# Altium PCB gateway.PcbDoc (part 2 of 4)
Units mm, origin at the board's own origin, x right, y up, seen from the top; angles counter-clockwise.
Board outline 85 x 87.5 mm, 4 copper layers (L1, L2/PWR, L3/GND, L4), stack 1.58 mm thick; 275 components, 211 nets, 1349 pads, 793 vias.
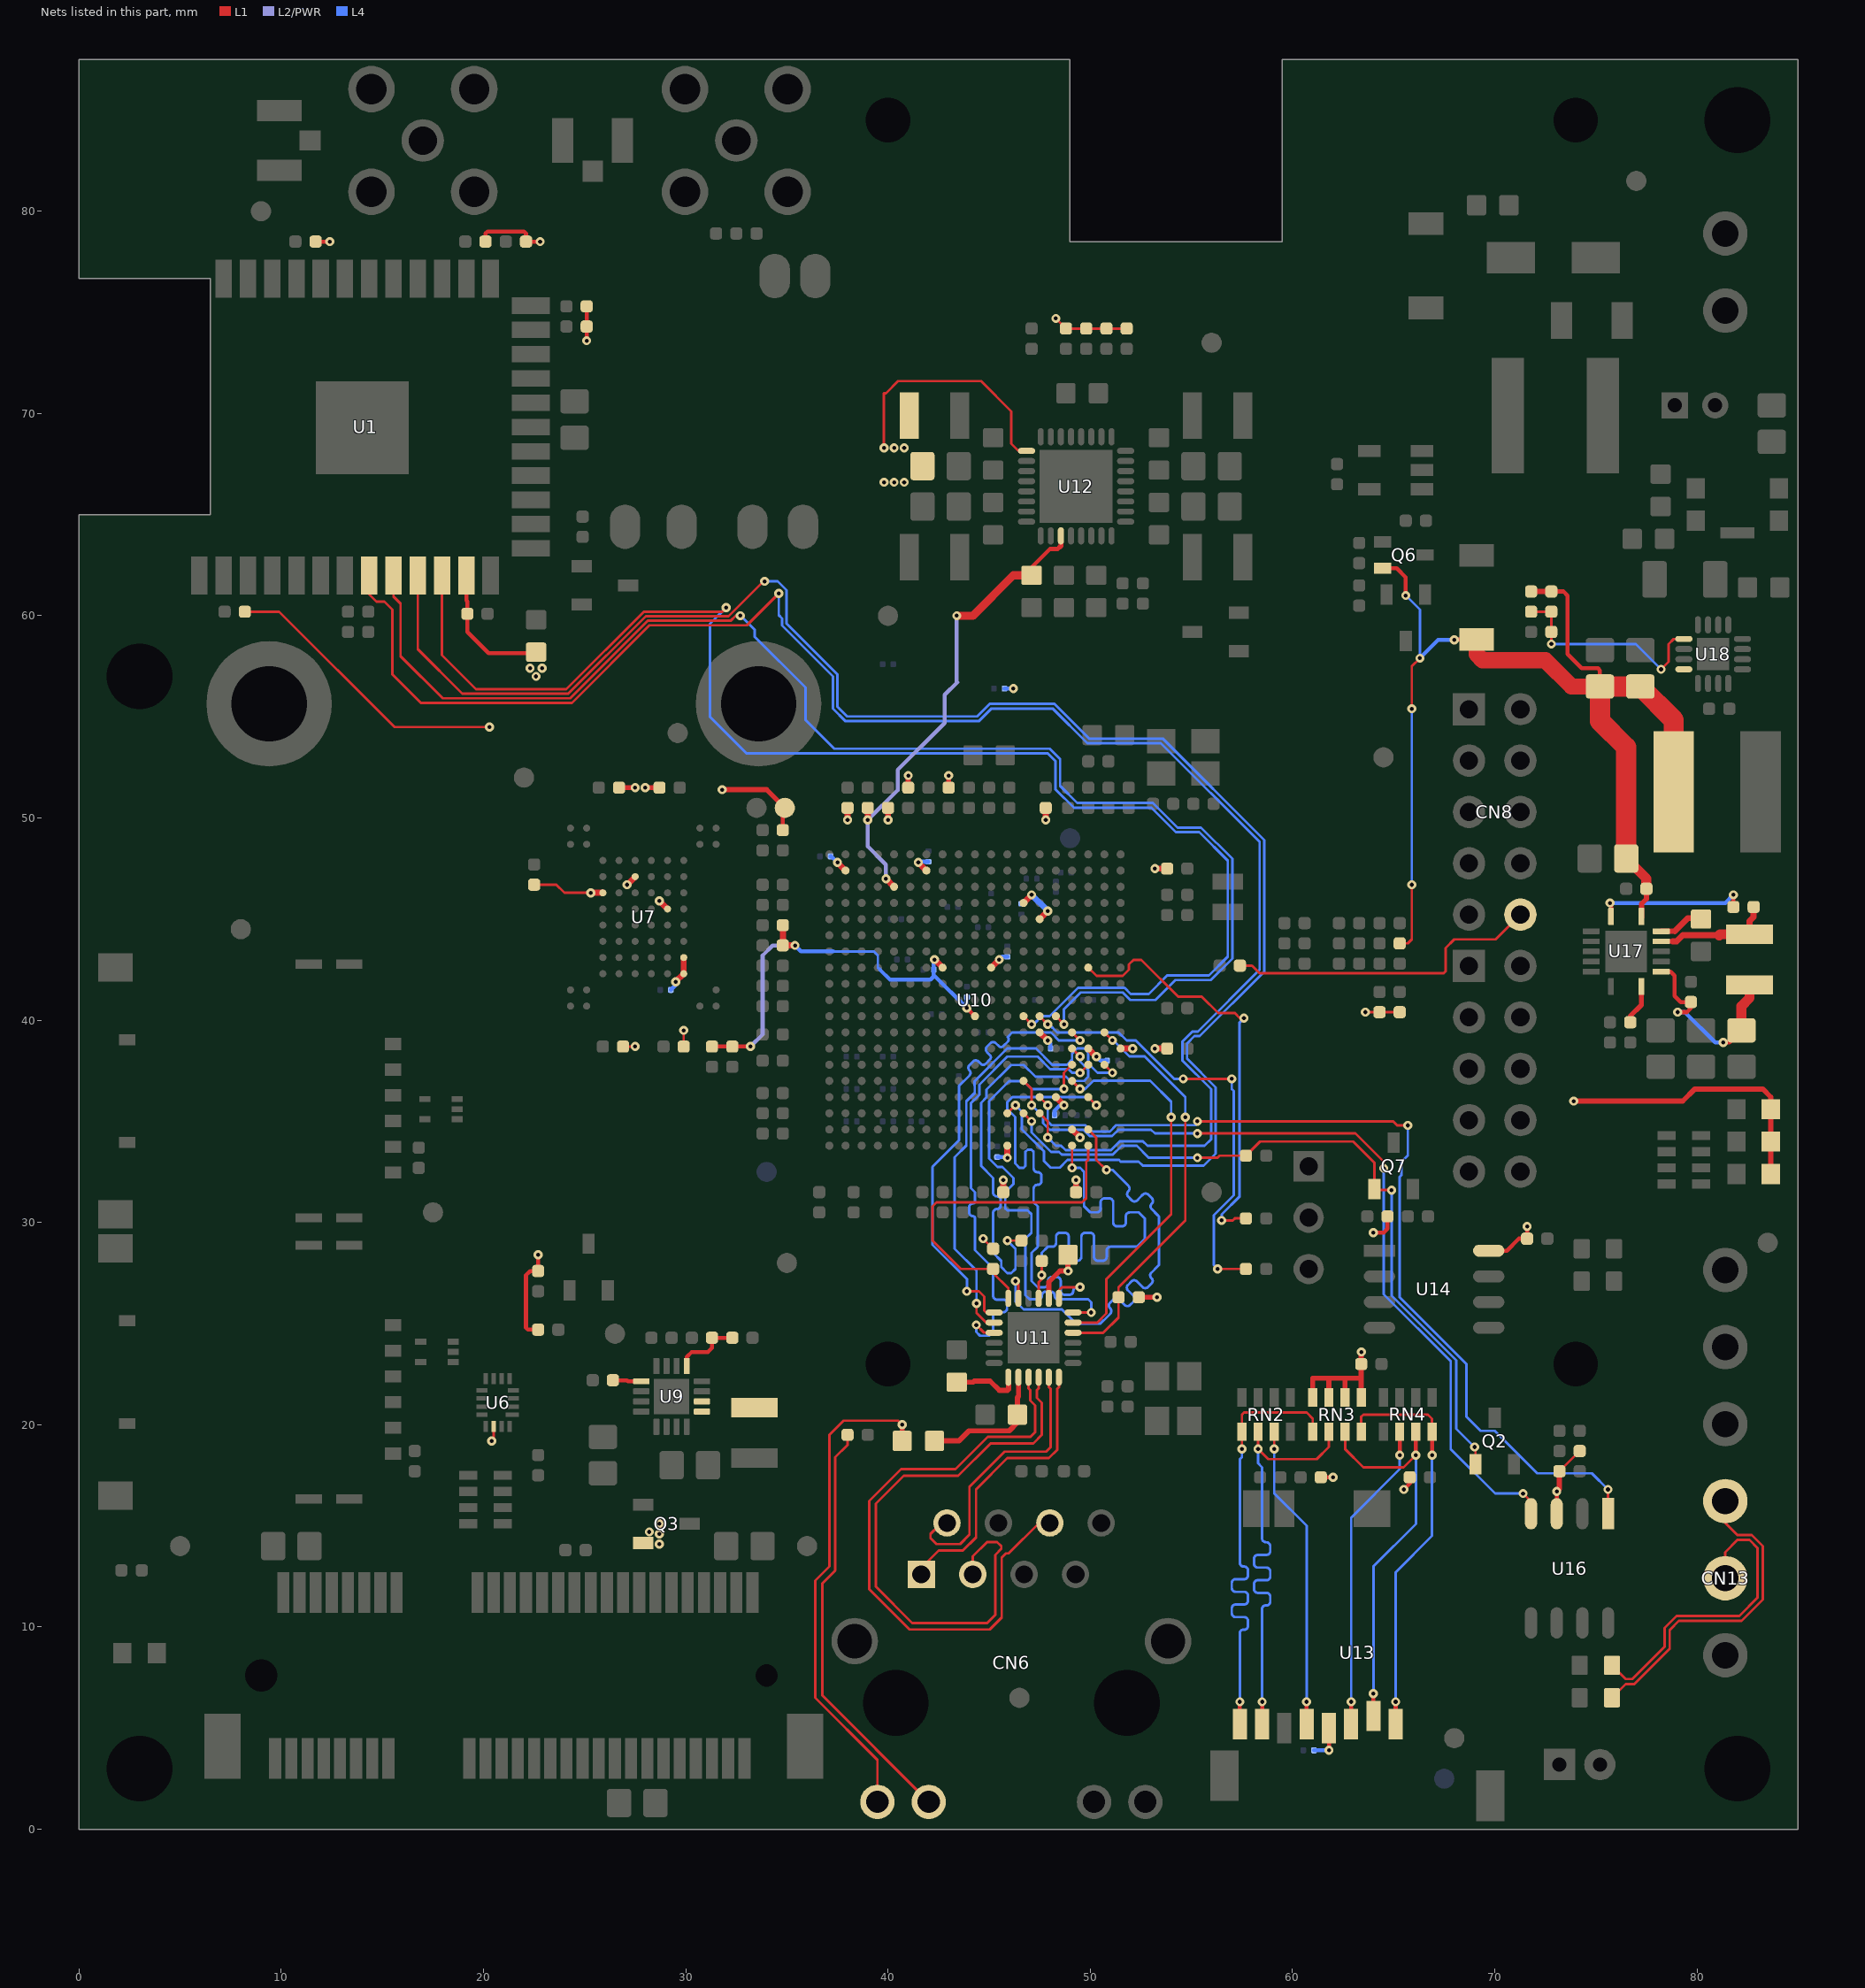
[diagram p4: the nets of this part, all layers, seen from the top]

## Part data
C1 C7 C9 C11 C16 C95 C98: library part C_Dup1, "Capacitor, Ceramic", TOLERANCE=20%, VOLTAGE=10V, Footprint Checked="Assign OK, Footprint OK", FP_DESC=C0805, MFG=SAMSUNG, MFG_PN=CL21B106KPQNNNE, Replacement Allowed=Ask, Symbol Checked=Ok, TECHNOLOGY=X5R
C2 C8 C12 C101: library part C, "Capacitor, Ceramic", TOLERANCE=5%, VOLTAGE=50V, Footprint Checked="Assign OK, Footprint OK", FP_DESC=C0402, MFG=<GENERIC>, MFG_PN=<GENERIC>, Replacement Allowed=Yes, Symbol Checked=Ok, TECHNOLOGY=C0G
C3 C4 C5 C6 C10 C13 C14 C17 C18 C19 C20 C21 C22 C23 C24 C25 C26 C27 C28 C29 C30 C31 C32 C33 C36 C38 C40 C44 C47 C48 C49 C50 C51 C53 C57 C59 C61 C64 C65 C71 C73 C74 C78 C79 C80 C82 C84 C97: library part C_Dup1, "Capacitor, Ceramic", TOLERANCE=20%, VOLTAGE=25V, Footprint Checked="Assign OK, Footprint OK", FP_DESC=C0402, MFG=SAMSUNG, MFG_PN=CL05A104KA5NNNC, Replacement Allowed=Ask, Symbol Checked=Ok, TECHNOLOGY=X5R
C15 C34 C35 C37 C39 C41 C42 C43 C45 C46 C52 C54 C55 C56 C60 C66 C67 C69 C75 C76 C86 C87 C88 C90 C92 C103 C104 C105 C106 C107 C108 C109 C110 C111 C112 C113 C114 C115 C116 C117 C118 C119 C120 C121 C122 C123 C124 C125 C126 C127 C128 C129 C130 C131 C132 C133 C134 C135 C136 C137 C138: library part C_Dup1, "Capacitor, Ceramic", TOLERANCE=20%, VOLTAGE=6.3V, Footprint Checked="Assign OK, Footprint OK", MFG=SAMSUNG, Replacement Allowed=Ask, Symbol Checked=Ok, TECHNOLOGY=X5R
  C15 C34 C35 C75 C76 C87 C88 C92: FP_DESC=C0805, MFG_PN=CL21A226KQCLRNC
  C37 C42 C69 C86 C90: FP_DESC=C0402, MFG_PN=CL05A105KQ5NNNC
  C39 C43 C56: FP_DESC=C0603, MFG_PN=CL10A225KQ8NNNC
  C41 C45 C46 C52 C54 C55 C60 C66 C67: FP_DESC=C0603, MFG_PN=CL10A475MQ8NNNC
  C103 C104 C105 C106 C107 C108 C109 C110 C111 C112 C113 C114 C115 C116 C117 C118 C119 C120 C121 C122 C123 C124 C125 C126 C127 C128 C129 C130 C131 C132 C133 C134 C135 C136 C137 C138: FP_DESC=C0201, MFG_PN=CL03A104KQ3NNNC
C58 C62 C63 C68 C70 C72 C77: library part C_Dup1, "Capacitor, Ceramic", TOLERANCE=5%, VOLTAGE=50V, Footprint Checked="Assign OK, Footprint OK", FP_DESC=C0402, MFG=<GENERIC>, MFG_PN=<GENERIC>, Replacement Allowed=Yes, Symbol Checked=Ok, TECHNOLOGY=C0G
C81 C89 C93 C99: library part C, "Capacitor, Ceramic", TOLERANCE=20%, VOLTAGE=6.3V, Footprint Checked="Assign OK, Footprint OK", MFG=SAMSUNG, Replacement Allowed=Ask, Symbol Checked=Ok, TECHNOLOGY=X5R
  C81 C89 C93: FP_DESC=C0402, MFG_PN=CL05A105KQ5NNNC
  C99: FP_DESC=C0603, MFG_PN=CL10A475MQ8NNNC
C83 C94 C96 C102: library part C_Dup1, "Capacitor, Ceramic", TOLERANCE=20%, VOLTAGE=50V, Footprint Checked="Assign OK, Footprint OK", MFG=SAMSUNG, Replacement Allowed=Ask, Symbol Checked=Ok
  C83 C96 C102: FP_DESC=C0603, MFG_PN=CL10B104KB8NNWC, TECHNOLOGY=X7R
  C94: FP_DESC=C1206, MFG_PN=CL31A106MBHNNNE, TECHNOLOGY=X5R
C85: library part C_Dup1, "Capacitor, Ceramic", TOLERANCE=TBD, Footprint Checked="Assign OK, Footprint OK", FP_DESC=C0402, MFG=<GENERIC>, MFG_PN=<GENERIC>, Replacement Allowed=Yes, Symbol Checked=Ok, TECHNOLOGY=TBD, VOLTAGE=TBD
C91: library part CP, "Capacitor, Electrolytic", TOLERANCE=20%, VOLTAGE=35V, Footprint Checked="Assign OK, Footprint OK", FP_DESC="Cap. Pol. D=5mm, LS=2mm, H=12.5mm", MFG=NICHICON, MFG_PN=UVY1V470MDD, Replacement Allowed=Ask, Symbol Checked=Ok, TECHNOLOGY="Electrolytic Aluminium"
C100: library part C_Dup1, "Capacitor, Ceramic", TOLERANCE=5%, VOLTAGE=25V, Footprint Checked="Assign OK, Footprint OK", FP_DESC=C0402, MFG=<GENERIC>, MFG_PN=<GENERIC>, Replacement Allowed=Yes, Symbol Checked=Ok, TECHNOLOGY=C0G
CN1: library part miniPCIe, "PCI Express Minicard Connector", Footprint Checked="Assign OK, Footprint OK", FP_DESC=miniPCIe, MFG=TE, MFG_PN=2041262-1, Replacement Allowed=Ask, Symbol Checked=Ok
CN2 CN4: library part U.FL-R-SMT-1, "Ultra Small Surface Mount Coaxial Connectors - 1.9mm or 2.4mm Mated Height", Footprint Checked="Assign OK, Footprint OK", FP_DESC="U.FL connector", MFG=LINX, MFG_PN=CONUFL001-SMD-T, Replacement Allowed=Ask, Symbol Checked=Ok
CN3: library part RPSMA, "SMA, Right angle", Footprint Checked="Assign OK, Footprint OK", FP_DESC="SMA, Right angle", MFG=LPRS, MFG_PN="SMARA CONNECTOR", Replacement Allowed=Ask, Symbol Checked=Ok
CN5: library part RPSMA, "RP-SMA, Right angle", Footprint Checked="Assign Ok, Footprint Ok", FP_DESC="RP-SMA, Right angle", MFG=TAOGLAS, MFG_PN=PCB.RPSMAFRA.HT, Replacement Allowed=Ask, Symbol Checked=Ok
CN6: "Single Port RJ45 connecto with Magnetics Module and LEDs", Footprint Checked="Assign OK, Footprint OK", FP_DESC="RJ45 w/magnetics, 90°", MFG=HANRUN, MFG_PN=HR911105A, Replacement Allowed=Ask, Symbol Checked=Ok
CN7: library part "Header 3", Footprint Checked="Assign OK, Footprint OK", FP_DESC="Header, Male pins, 1x3, 0.1\", Vertical", MFG=<GENERIC>, MFG_PN=<GENERIC>, Replacement Allowed=Yes, Symbol Checked=Ok
CN8 CN9: library part "Header 5X2", Footprint Checked="Assign OK, Footprint OK", FP_DESC="Header, Male pins, 2x5, 0.1\", Vertical", MFG=<GENERIC>, MFG_PN=<GENERIC>, Replacement Allowed=Yes, Symbol Checked=Ok
CN10: library part CON2, "Header, Male pins, 1x2, 2mm, Vertical", Footprint Checked="Assign OK, Footprint OK", FP_DESC="Header, Male pins, 1x2, 2mm, Vertical", MFG=JST, MFG_PN=B2B-PH-K-S(LF)(SN), Replacement Allowed=Ask, Symbol Checked=Ok
CN11: library part "Header 2", "Terminal block, 3.81mm, 2-Pin", Footprint Checked="Assign OK, Footprint OK", FP_DESC="Terminal block, 3.81mm, 2-Pin", MFG=DINKLE, MFG_PN=EK381-02P, Replacement Allowed=Ask, Symbol Checked=Ok
CN12 CN13: library part "Header 3", "Terminal block, 3.81mm, 3-Pin", Footprint Checked="Assign OK, Footprint OK", FP_DESC="Terminal block, 3.81mm, 3-Pin", MFG=DINKLE, MFG_PN=EK381-03P, Replacement Allowed=Ask, Symbol Checked=Ok
D1 D2: library part DIODE_1, "DIODE", Footprint Checked="Assign OK, Footprint OK", FP_DESC=SOD128, MFG=ST, MFG_PN=STPS360AF, Replacement Allowed=No, Symbol Checked=Ok
D3: library part TVS, "TVS", Footprint Checked="Assign OK, Footprint OK", FP_DESC=SMA, MFG=BOURNS, MFG_PN=SMAJ36CA, Replacement Allowed=No, Symbol Checked=Ok
F1: library part "Fuse 1", "Fuse", POWER=250mW, VOLTAGE=63V, Footprint Checked="Assign OK, Footprint OK", FP_DESC=R1206, MFG=BEL, MFG_PN="C1S 3", Replacement Allowed=No, Symbol Checked=Ok
FB1 FB4: library part L, "Ferrite Bead", Footprint Checked="Assign OK, Footprint OK", FP_DESC=L0603, MFG=SAMSUNG, MFG_PN=CIS10P700AC, Replacement Allowed=No, Symbol Checked=Ok
FB2 FB3: library part "Filtre ferrites CMS-742792093", "Ferrite Bead", Footprint Checked="Assign OK, Footprint OK", Replacement Allowed=No, Symbol Checked=Ok
  FB2: FP_DESC=L0603, MFG=SAMSUNG, MFG_PN=CIS10P221NC
  FB3: FP_DESC=L0402, MFG=MURATA, MFG_PN=BLM15AX121SN1D
L1 L2 L3 L4 L5 L6 L9: library part L_CORE, "Inductor, Ferrite core", Footprint Checked="Assign OK, Footprint OK", Replacement Allowed=No, Symbol Checked=Ok
  L1 L9: EXTRA_DATA="Irms=3.1A Isat=4.8A", FP_DESC=L1008, MFG="TAIYO YUDEN", MFG_PN=MAMK2520H1R0M
  L2 L3 L5 L6: EXTRA_DATA="Irms=2.6A Isat=3.7A", FP_DESC=L1008, MFG="TAIYO YUDEN", MFG_PN=MAMK2520H1R5M
  L4: EXTRA_DATA="Irms=300mA Isat=60mA Rdc=0.6R", FP_DESC=L0603, MFG=TDK, MFG_PN=MLZ1608N100LT000
L7 L8: library part L, "Inductor, Ferrite core", Footprint Checked="Assign OK, Footprint OK", FP_DESC="Inductor, 6.0x6.0, H=4.5", Replacement Allowed=No, Symbol Checked=Ok
  L7: EXTRA_DATA="Irms=? Isat=2.5A", MFG="TAIYO YUDEN", MFG_PN=NR6045T100M
  L8: EXTRA_DATA="Irms=? Isat=3.8A", MFG=BOURNS, MFG_PN=SRN6045-4R7Y
LED1 LED2 LED3 LED4: library part "Led Red HSMC-C170", "LED", Footprint Checked="Assign OK, Footprint OK", FP_DESC=LED0603, MFG=<GENERIC>, MFG_PN=<GENERIC>, Replacement Allowed=Yes, Symbol Checked=Ok
Q1 Q3 Q5: library part DMG1013UW, "MOSFET, P channel", Footprint Checked="Assign OK, Footprint OK", FP_DESC=SOT23-3, MFG=VISHAY, MFG_PN=Si2365EDS-T1-GE3, Replacement Allowed=No, Symbol Checked=Ok
Q2 Q4 Q7 Q8: library part TRA1147, "MOSFET, N channel", Footprint Checked="Assign OK, Footprint OK", FP_DESC=SOT23-3, MFG=NXP, MFG_PN=BSS138P,215, Replacement Allowed=No, Symbol Checked=Ok
Q6: library part MMBT2907LT1, "PNP", Footprint Checked="Assign OK, Footprint OK", FP_DESC=SOT323, MFG=NXP, MFG_PN=BC857BW,135, Replacement Allowed=No, Symbol Checked=Ok
R1 R2 R3 R4 R5 R6 R7 R9 R10 R11 R12 R13 R14 R15 R16 R17 R19 R20 R22 R23 R24 R26 R29 R31 R32 R33 R34 R35 R37 R38 R39 R41 R42 R43 R45 R46 R47 R48 R49 R50 R51 R52 R53 R54 R55 R56 R57 R58 R59 R60 R61 R68 R69: library part R, "Resistor, SMD", POWER=50mW, TOLERANCE=1%, Footprint Checked="Assign OK, Footprint OK", FP_DESC=R0402, MFG=<GENERIC>, MFG_PN=<GENERIC>, Replacement Allowed=Yes, Symbol Checked=Ok
R8 R18 R21 R44: library part R, "Resistor, SMD", POWER=50mW, Footprint Checked="Assign OK, Footprint OK", FP_DESC=R0402, MFG=<GENERIC>, MFG_PN=<GENERIC>, Replacement Allowed=Yes, Symbol Checked=Ok
R25 R27 R28 R30 R36: library part R_Dup1, "Resistor, SMD", POWER=50mW, TOLERANCE=1%, Footprint Checked="Assign OK, Footprint OK", FP_DESC=R0402, MFG=<GENERIC>, MFG_PN=<GENERIC>, Replacement Allowed=Yes, Symbol Checked=Ok
R62 R63 R64 R65: library part R, "Resistor, SMD", POWER=100mW, TOLERANCE=1%, Footprint Checked="Assign OK, Footprint OK", FP_DESC=R0603, MFG=<GENERIC>, MFG_PN=<GENERIC>, Replacement Allowed=Yes, Symbol Checked=Ok
R66 R67: library part R, "Resistor, SMD", POWER=125mW, TOLERANCE=1%, Footprint Checked="Assign OK, Footprint OK", FP_DESC=R0805, MFG=<GENERIC>, MFG_PN=<GENERIC>, Replacement Allowed=Yes, Symbol Checked=Ok
RN1 RN2 RN3 RN4 RN5: library part RESNW_IS_0, "Resistor array", POWER=250mW, TOLERANCE=5%, Footprint Checked="Assign OK, Footprint OK", FP_DESC="Res. Pack 4x0603 Convex", MFG=<GENERIC>, MFG_PN=<GENERIC>, Replacement Allowed=Yes, Symbol Checked=Ok
SW1: library part SW-PB, "Switch", Footprint Checked="Assign OK, Footprint OK", FP_DESC="Tact switch, 4.6mm x 2.8mm", MFG=C&K, MFG_PN=KMR421GULCLFS, Replacement Allowed=Ask, Symbol Checked=Ok
U1: library part MIC8126, "IEEE 802.11 b/g/n Link Controller Module with Integrated Bluetooth 4.0", Footprint Checked="Assign OK, Footprint OK", FP_DESC="ATWILC3000-MR110CA Module", MFG=MICROCHIP, MFG_PN=ATWILC3000-MR110UA, Replacement Allowed=No, Symbol Checked=Ok
U2 U3: library part 115I-AEAA, "microSIM Card Holder", Footprint Checked="Assign OK, Footprint OK", FP_DESC="microSIM card holder", MFG=MOLEX, MFG_PN=786463001, Replacement Allowed=Ask, Symbol Checked=Ok
U4 U5: library part PESD5V0L4UG, "TVS array", Footprint Checked="Assign OK, Footprint OK", FP_DESC=SOT553, MFG=DIODES, MFG_PN=DZQA5V6AXV5, Replacement Allowed=No, Symbol Checked=Ok
U6: library part NX3DV2567, "Low-ohmic four-pole double-throw analog switch", Footprint Checked="Assign OK, Footprint OK", FP_DESC=XFQFN-16, MFG=NXP, MFG_PN=NX3DV2567GU,115, Replacement Allowed=No, Symbol Checked=Ok
U7: library part S34MS01G200, "SLC NAND Flash Memory for Embedded", Footprint Checked="Assign OK, Footprint OK", FP_DESC=FBGA63, MFG=TOSHIBA, MFG_PN=TC58NVG1S3HBAI4, Replacement Allowed=No, Symbol Checked=Ok
U8: library part GWF-7M01, "150Mbps IEEE 802.11 b/g/n WiFi Module", Footprint Checked="Assign OK, Footprint OK", FP_DESC="RTL8188CUS module", MFG=FORMIKE, MFG_PN="RTL8188CUS module", Replacement Allowed=Ask, Symbol Checked=Ok
U9: "Buck Switching Regulator IC Positive Adjustable 0.8V 1 Output 3A 16-VFQFN Exposed Pad", Footprint Checked="Assign OK, Footprint OK", FP_DESC=VFQFN-16, MFG=TI, MFG_PN=TLV62090RGTR, Replacement Allowed=No, Symbol Checked=Ok
U10: library part MIC8130, "SAMA5D2 MPU with 2Gb LPDDR2 x32 TFBGA-361", Footprint Checked="Assign OK, Footprint OK", FP_DESC=BGA-361, MFG=MICROCHIP, MFG_PN=ATSAMA5D27C-LD2G-CU, Replacement Allowed=No, Symbol Checked=Ok
U11: library part KSZ8081, "10Base-T/100Base-TX PHY with RMII Support", Footprint Checked="Assign OK, Footprint OK", FP_DESC=QFN24+TAB, MFG=MICROCHIP, MFG_PN=KSZ8081RNAIA-TR, Replacement Allowed=No, Symbol Checked=Ok
U12: library part MIC8644, "High-Performance PMIC for SAMA5DX/SAM9X6 MPUs", Footprint Checked="Assign OK, Footprint OK", FP_DESC=QFN32+TAB, MFG=MICROCHIP, MFG_PN=MCP16502TAC-E/S8B, Replacement Allowed=No, Symbol Checked=Ok
U13: library part 112A-TAAR-R03, "microSD socket", Footprint Checked="Assign OK, Footprint OK", FP_DESC="Micro SD, Push-Push", MFG=GCT, MFG_PN=MEM2051-00-195-00-A, Replacement Allowed=Ask, Symbol Checked=Ok
U14: library part SN75176BD, "Differential Bus Transceiver", Footprint Checked="Assign OK, Footprint OK", FP_DESC=SOIC-8, MFG=ST, MFG_PN=ST3485EBDR, Replacement Allowed=No, Symbol Checked=Ok
U15: library part XC6504, "Linear Voltage Regulator IC  1 Output  150mA SOT-25-5", Footprint Checked="Assign OK, Footprint OK", FP_DESC=SOT23-5, MFG=MICROCHIP, MFG_PN=MCP1711T-30I/OT, Replacement Allowed=No, Symbol Checked=Ok
U16: library part TJA1042TK/3, "High speed CAN transceiver", Footprint Checked="Assign OK, Footprint OK", FP_DESC=SOIC-8, MFG=TI, MFG_PN=SN65HVD231DR, Replacement Allowed=No, Symbol Checked=Ok
U17: "Charger IC Lithium Ion/Polymer 14-VQFN (3.5x3.5)", Footprint Checked="Assign OK, Footprint OK", FP_DESC=VFQFN-14, MFG=TI, MFG_PN=BQ24155RGYR, Replacement Allowed=No, Symbol Checked=Ok
U18: library part MCP16322, "24V Input, 1A/2A Output, High Efficiency Synchronous Buck Regulator with Power Good Indication", Footprint Checked="Assign OK, Footprint OK", FP_DESC=QFN16+TAB, MFG=SEMTECH, MFG_PN=TS30042-M000QFNR, Replacement Allowed=No, Symbol Checked=Ok
Y1 Y2 Y3: library part CS10-12MHz, "Crystal", Footprint Checked="Assign OK, Footprint OK", Replacement Allowed=Ask, Symbol Checked=Ok
  Y1: FP_DESC="XTAL 3.2x2.5", MFG=EPSON, MFG_PN="TSX-3225 25.0000MF10P-C0"
  Y2: FP_DESC="XTAL 3.2x2.5", MFG=ECS, MFG_PN=ECS-120-12-33-AGN-TR
  Y3: FP_DESC="XTAL 2.0x1.2", MFG=TXC, MFG_PN=CM8V-T1A-32.768kHz-12.5pF-20PPM-TA-QC

## Free pads (board coordinates)
  round 0 hole 2.2 unplated: 0(40,23) 0(40,84.5) 0(74,23) 0(74,84.5)
  round 1 smd: 1(33.5,50.5) 1(34.9,50.5)
  round 1 smd paste-25.4 mask+0.5: FID1(5,14) FID1(8,44.5) FID1(9,80) FID1(17.5,30.5) FID1(22,52) FID1(26.5,24.5) FID1(29.6,54.2) FID1(35,28) FID1(36,14) FID1(40,60) FID1(46.5,6.5) FID1(56,31.5) FID1(56,73.5) FID1(64.5,53) FID1(68,4.5) FID1(77,81.5) FID1(83.5,29)
  round 1 smd far side paste-25.4 mask+0.5: FID1(34,32.5) FID1(49,49) FID1(67.5,2.5)
  round 0 hole 3.25 unplated: H1(3,3) H1(3,57) H1(82,3) H1(82,84.5)

## Via types
v1: diameter 0.45, hole 0.2, L1 to L4, 715 vias
v2: diameter 0.45, hole 0.2, L1 to L4, tented both sides, 78 vias

## Nets (pads, with @x,y where several pads share a name; then routed paths per layer and width w, separated by ;. In a path a pad name is that pad's centre, name@x,y a point inside that pad or via, vN(x,y) a via of type N, cw(c..) or ccw(c..) an arc to the next point about the centre after c; other vN are vias at no path point)
+2.5V: C31.1 C52.1 U10.U15 U12.19 | length 23.7
  L1 w0.2: C52.1@47.1,62 47.1,62.4 48,63.3 48.4,63.3 48.5,63.4
  L1 w0.25: 48.5,63.4 48.55,63.45 U12.19@48.55,63.95
  L1 w0.3: v1(39,49.9) C31.1@39,50.5 ; v1(39.9,47) U10.U15@40.3,46.6
  L1 w0.4: v1(43.4,60) 44.2,60 46.2,62 C52.1@47.1,62
  L2/PWR w0.2: v1(39.9,47) 39.9,47.7 39,48.6 v1(39,49.9) 40.475,51.375 40.475,52.375 42.8,54.7 42.8,56.09 43.425,56.714 43.4,56.739 v1(43.4,60)
+3.3V: C5.2 C6.1 C10.1 C13.1 C14.1 C29.2 C33.2 C34.2 C48.2 C53.1 C56.2 C59.2 C71.2 C74.2 C82.1 C84.1 C86.1 C112.1 C113.1 C124.1 C125.1 C126.1 C127.1 C128.1 C129.1 C130.1 C136.1 C138.1 CN6.9 FB1.1 FB2.1 FB3.1 L2.2 LED2.1 LED3.1 LED4.1 pad.1@34.9,50.5 Q3.2 R2.2 R3.1 R5.1 R6.1 R9.1 R10.1 R12.1 R13.1 R14.2 R15.2 R22.2 R26.1 R27.1 R31.2 R32.2 R35.2 R37.1 R39.2 R45.1 R51.1 R55.2 R56.2 R69.2 RN3.5 RN3.6 RN3.7 RN3.8 U1.12 U6.14 U7.C3 U7.D3 U7.G4 U7.H8 U7.J6 U10.A8 U10.B4 U10.D5 U10.G1 U10.G3 U10.H6 U10.M9 U10.R6 U10.T7 U10.V13 U10.V18 U11.14 U12.9 U13.4 U14.8 U16.3 | length 143.3
  L1 w0.125: R2.2@8.2,60.2 9.9,60.2 15.6,54.5 v1(20.3,54.5) ; v1(20.4,19.2) 20.5,19.3 U6.14@20.5,19.925 ; C6.1@22.5,46.7 23.6,46.7 24,46.3 v1(25.3,46.3) ; R14.2@26.9,38.7 v1(27.5,38.7) ; C14.1@29.9,38.7 v1(29.9,39.5) ; CN6.9@39.475,1.35 39.475,3.425 36.4,6.5 36.4,12.3 37.1,13 37.1,19.5 37.8,20.2 40.5,20.2 v1(40.7,20) ; v1(39.8,68.3) 39.8,71 39.9,71 40.5,71.6 44.6,71.6 46.1,70.1 46.1,68.5 46.45,68.15 U12.9@46.85,68.15 ; v1(44.7,29.2) R27.1@45.2,28.7 ; v1(48.3,74.7) R31.2@48.8,74.2 R32.2@49.8,74.2 R35.2@50.8,74.2 R39.2@51.8,74.2 ; v1(63.6,40.4) R55.2@64.3,40.4 R56.2@65.3,40.4 ; C86.1@73.2,17.7 R12.1@74.2,18.7
  L1 w0.2: R3.1@11.7,78.5 v1(12.4,78.5) ; U1.12@19.15,61.99 19.15,60.75 19.2,60.7 C5.2@19.2,60.1 19.2,59.2 20.25,58.15 FB1.1@22.6,58.15 ; R5.1@20.1,78.5 20.1,78.9 20.2,79 22,79 22.1,78.9 R6.1@22.1,78.5 v1(22.8,78.5) ; R15.2@22.7,24.7 22.2,24.7 22.1,24.8 22.1,27.4 22.3,27.6 R13.1@22.7,27.6 v1(22.7,28.4) ; v1(25.1,73.6) R10.1@25.1,74.3 R9.1@25.1,75.3 ; R22.2@34.8,49.4 34.8,50.2 pad.1@35,50.4 ; R45.1@61.4,17.4 v1(62,17.4) ; v1(61.8,3.9) U13.4@61.8,5 ; v1(64,29.5) 64.512,29.5 64.7,29.688 R69.2@64.7,30.3 ; v1(65.5,16.8) 65.8,17.1 C82.1@65.8,17.4 ; U14.8@69.7,28.605 70.605,28.605 71.2,29.2 C84.1@71.6,29.2 v1(71.6,29.8) ; U16.3@73.065,15.6 v1(73.065,16.7)
  L1 w0.254: C10.1@26.7,51.5 v1(27.5,51.5) ; v1(28,51.5) C13.1@28.7,51.5 ; v1(31.8,51.4) 34,51.4 pad.1@34.9,50.5 ; FB2.1@40.7,19.2 v1(40.7,20) ; R26.1@41,51.5 v1(41,52.1) ; FB3.1@43,51.5 v1(43,52.1) ; U11.14@47.956,26.255 47.956,27.056 48.5,27.6 v1(48.9,27.6) C56.2@48.9,28.4 ; R37.1@52.4,26.3 v1(53.3,26.3) ; RN3.8@61,21.35 61,22.3 61.8,22.3 ; RN3.7@61.8,21.35 61.8,22.3 ; RN3.6@62.6,21.35 62.6,22.3 ; RN3.5@63.4,21.35 63.4,22.3 ; v1(63.4,23.6) R51.1@63.4,23 63.4,22.3 ; v1(73.065,16.7) 73.2,16.835 C86.1@73.2,17.7 ; v1(73.9,36) 79.3,36 79.9,36.6 83.25,36.6 83.65,36.2 LED2.1@83.65,35.6 LED3.1@83.65,34 LED4.1@83.65,32.4 ; 61.8,22.3 62.6,22.3 ; 62.6,22.3 63.4,22.3
  L1 w0.3: v1(25.3,46.3) U7.H8@25.9,46.3 ; v1(27.1,46.7) U7.J6@27.5,47.1 ; v1(28.7,45.9) U7.G4@29.1,45.5 ; v1(29.5,41.9) U7.C3@29.9,42.3 U7.D3@29.9,43.1 ; v1(37.5,47.8) U10.V18@37.9,47.4 ; v1(38,49.9) C29.2@38,50.5 ; v1(40,49.9) C33.2@40,50.5 ; v1(41.5,47.8) U10.V13@41.9,47.4 ; U10.M9@45.1,42.6 v1(45.5,43) ; C48.2@45.7,31.5 v1(45.7,32.1) ; v1(45.9,33.2) U10.A8@45.9,33.8 ; U10.T7@46.7,45.8 v1(47.1,46.2) ; U10.H6@47.5,39.4 v1(47.9,39) ; U10.R6@47.5,45 v1(47.9,45.4) ; v1(47.8,49.9) C53.1@47.8,50.5 ; U10.D5@48.3,36.2 v1(48.7,35.8) ; U10.B4@49.1,34.6 v1(49.5,34.2) ; C59.2@49.3,31.5 v1(49.3,32.1) ; U10.G3@49.9,38.6 v1(50.3,38.2) ; U10.G1@51.5,38.6 v1(52.1,38.6) ; v1(53.2,38.6) C74.2@53.8,38.6 ; v1(53.2,47.5) C71.2@53.8,47.5
  L4 w0.2: C113.1@29.262,41.5 29.5,41.738 v1(29.5,41.9) ; C128.1@37.162,48.1 37.2,48.1 v1(37.5,47.8) ; v1(41.5,47.8) 41.538,47.838 C130.1@42,47.838 ; C124.1@45.4,33.238 45.863,33.238 v1(45.9,33.2) ; v1(45.5,43) 45.638,43.138 C112.1@45.9,43.138 ; C136.1@45.762,56.4 v1(46.2,56.4) ; C138.1@46.6,45.762 46.663,45.762 v1(47.1,46.2) ; v1(47.9,39) 48.038,38.862 C126.1@48.038,38.6 ; C125.1@48.238,35.3 48.238,35.538 48.5,35.8 v1(48.7,35.8) ; v1(50.3,38.2) 50.5,38 C127.1@50.838,38 ; C129.1@61.062,3.9 v1(61.8,3.9)
  L4 w0.3: v1(47.1,46.2) v1(47.9,45.4)
  other v1: 28.7,14.1 28.7,14.6 28.2,14.7 28.7,15.1 22.6,57 22.3,57.4 22.9,57.4 39.8,66.6 40.3,66.6 40.8,66.6 40.3,68.3 40.8,68.3
+3.3V_FB: R16.1 R20.2 U9.5 | length 3.4
  L1 w0.2: U9.5@30.05,22.9 30.05,23.35 30.3,23.6 31.1,23.6 31.3,23.8 R16.1@31.3,24.3 R20.2@32.3,24.3
+3.3V_SS: C8.2 U9.9 | length 1.4
  L1 w0.2: C8.2@26.4,22.2 27.1,22.2 27.15,22.15 U9.9@27.8,22.15
+3.3V_SW: L1.1 U9.1 U9.2
+5V: C85.2 C87.1 C88.1 C90.1 C92.1 D2.1 L8.2 Q6.2 R53.2 R61.2 U17.14 | length 58.6
  L1 w0.125: R53.2@65.3,43.8 65.7,43.8 65.9,44 v1(65.9,46.7) ; v1(65.9,55.4) 65.9,57.5 v1(66.3,57.9)
  L1 w0.2: Q6.2@64.45,62.35 65.15,62.35 65.6,61.9 v1(65.6,61) ; v1(68,58.8) 68.02,58.82 D2.1@69.1,58.82 ; R61.2@72.8,61.2 73.4,61.2 73.6,61 73.6,58.1 74.3,57.4 75.1,57.4 75.2,57.3 C88.1@75.2,56.5
  L1 w0.25: U17.14@77.258,45.084 77.258,45.758 77.5,46 C90.1@77.5,46.5
  L1 w0.254: C85.2@71.8,61.2 R61.2@72.8,61.2
  L1 w0.5: C87.1@76.5,48 77.5,47 C90.1@77.5,46.5
  L1 w0.8: D2.1@69.1,58.82 69.1,58.1 69.4,57.8 72.5,57.8 73.8,56.5 C88.1@75.2,56.5
  L1 w1: C87.1@76.5,48.3 76.5,53.5 75.2,54.8 C88.1@75.2,56.5 C92.1@77.2,56.5 78.85,54.85 L8.2@78.85,51.3
  L4 w0.125: v1(65.6,61) 66.3,60.3 v1(66.3,57.9) ; v1(65.9,46.7) v1(65.9,55.4)
  L4 w0.2: v1(66.3,57.9) 67.2,58.8 v1(68,58.8)
+5V_FB: C85.1 R60.2 R61.1 U18.5 | length 10.8
  L1 w0.125: v2(78.225,57.35) 78.6,57.725 78.6,58.6 78.85,58.85 U18.5@79.35,58.85
  L1 w0.127: C85.1@71.8,60.2 R61.1@72.8,60.2 v1(72.8,58.6)
  L4 w0.125: v1(72.8,58.6) 76.975,58.6 v2(78.225,57.35)
+5V_PG: U18.8
ADC_MCLK: CN8.10 R41.2 | length 15.9
  L1 w0.127: R41.2@57.4,42.7 58,42.7 58.374,42.326 67.475,42.326 67.569,42.42 67.569,43.569 68,44 70.05,44 CN8.10@71.27,45.22
BQ_BOOT: C101.2 U17.1 | length 7.6
  L1 w0.2: v1(75.7,45.8) 75.758,45.742 U17.1@75.758,45.084 ; C101.2@81.8,45.6 v1(81.8,46.2)
  L4 w0.2: v1(75.7,45.8) 81.4,45.8 v1(81.8,46.2)
BQ_CSIN: C97.2 L9.2 R66.2 U17.9 | length 10.2
  L1 w0.2: U17.9@78.23,42.4 78.7,42.4 78.9,42.2 78.9,41.2 79.2,40.9 C97.2@79.7,40.9 79.7,40.6 79.5,40.4 v1(79.043,40.4) ; v1(81.3,38.9) 81.6,38.9 R66.2@82.2,39.5
  L1 w0.5: R66.2@82.2,39.5 82.2,40.7 82.6,41.1 L9.2@82.6,41.75
  L4 w0.2: v1(79.043,40.4) 79.4,40.4 80.9,38.9 v1(81.3,38.9)
BQ_PMID: C99.1 U17.13 | length 2.2
  L1 w0.25: U17.13@78.23,44.4 78.9,44.4
  L1 w0.3: 78.9,44.4 79.55,45.05 C99.1@80.2,45.05
BQ_SW: C101.1 L9.1 U17.12 | length 5.9
  L1 w0.2: U17.12@78.23,43.9 78.8,43.9
  L1 w0.3: 78.8,43.9 79,43.9 79.3,44.2 81.1,44.2 ; L9.1@82.6,44.25 82.6,44.9 82.8,45.1 C101.1@82.8,45.6
  L1 w0.5: 81.1,44.2 81.15,44.25 L9.1@82.6,44.25
BQ_VREF: C93.2 U17.8 | length 2
  L1 w0.25: C93.2@76.7,39.9 76.7,40.2 77.25,40.75 U17.8@77.25,41.67
BT_CTS: U1.10 U10.C8 | length 87.3
  L1 w0.125: U1.10@16.75,61.99 16.75,58.35 18.957,56.143 24.189,56.143 28.02,59.975 32.123,59.975 33.848,61.7 v1(33.9,61.7) ; U10.C8@45.9,35.4 v1(46.3,35.8)
  L4 w0.125: v1(33.9,61.7) 34.548,61.7 34.988,61.261 34.988,59.612 37.5,57.1 37.5,55.5 37.975,55.025 44.416,55.025 45.028,55.638 48.235,55.638 49.948,53.925 53.584,53.925 58.6,48.909 58.6,42.4 55.413,39.213 55.146,39.213 54.788,38.854 54.788,38.097 56.2,36.684 56.2,33.4 55.612,32.812 52.6,32.812 52.4,33.012 51.5,33.012 51.425,33.088 48.875,33.088 48.5,32.712 48.039,32.712 47.714,33.037 47.714,33.519 46.625,34.609 46.625,35.475 v1(46.3,35.8)
BT_RTS: U1.11 U10.J7 | length 72.1
  L1 w0.127: U1.11@17.95,61.99 17.95,58.05 19.631,56.369 24.095,56.369 27.927,60.201 31.801,60.201 v1(32,60.4) ; U10.J7@46.7,40.2 v1(47.1,39.8)
  L4 w0.127: v1(32,60.4) 31.2,59.6 31.2,55 33,53.2 47.9,53.2 48.286,52.814 48.286,51.414 49.2,50.5 53.026,50.5 54.227,49.299 55.39,49.299 56.799,47.89 56.799,43.146 55.865,42.212 53.805,42.212 52.894,41.3 52,41.3 51.7,41.6 49.4,41.6 48,40.2 47.6,40.2 47.2,39.8 v1(47.1,39.8)
BT_RX: U1.8 U10.C6 | length 85.8
  L1 w0.125: U1.8@14.35,61.99 14.35,61.05 14.7,60.7 15.1,60.7 15.5,60.3 15.5,57.1 16.907,55.693 24.375,55.693 28.207,59.525 33.025,59.525 v1(34.6,61.1) ; U10.C6@47.5,35.4 47.898,35.002 47.898,34.202 v1(47.9,34.2)
  L4 w0.125: v1(34.6,61.1) 34.6,60.029 34.763,59.866 34.763,59.519 37.275,57.007 37.275,55.407 37.882,54.8 44.509,54.8 45.122,55.413 48.142,55.413 49.855,53.7 53.491,53.7 58.375,48.816 58.375,42.493 55.319,39.438 55.053,39.438 54.562,38.947 54.562,38.004 55.975,36.591 55.975,34.109 55.654,33.787 52.825,33.787 52.6,34.012 51.461,34.012 51.024,33.575 48.777,33.575 48.552,33.8 48.3,33.8 v1(47.9,34.2)
BT_TX: U1.9 U10.J5 | length 70.6
  L1 w0.125: U1.9@15.55,61.99 15.55,60.95 15.9,60.6 15.9,58 17.982,55.918 24.282,55.918 28.114,59.75 32.216,59.75 32.466,60 v1(32.7,60) ; U10.J5@48.3,40.2 v1@48.698,39.802
  L4 w0.125: v1(32.7,60) 32.72,60 33.412,59.307 33.412,58.96 35.925,56.448 35.925,54.848 37.347,53.426 47.994,53.426 48.512,52.907 48.512,51.588 49.355,50.745 53.1,50.745 54.32,49.525 55.484,49.525 57.025,47.984 57.025,43.052 55.958,41.985 54.205,41.985 53.22,41 51.98,41 51.606,41.374 49.534,41.374 48.7,40.54 v1(48.7,39.802)
CAN_N: CN13.3L R63.2 | length 16.1
  L1 w0.125: R63.2@75.8,6.5 76.475,7.175 76.904,7.175 78.65,8.921 78.65,9.85 79.1,10.3 82.204,10.3 83.25,11.346 83.25,14.004 82.704,14.55 82,14.55 81.4,15.15 CN13.3L@81.4,16.22
CAN_P: CN13.2L R62.2 | length 15.4
  L1 w0.125: R62.2@75.8,8.1 76.475,7.425 76.8,7.425 78.4,9.025 78.4,9.954 78.996,10.55 82.1,10.55 83,11.45 83,13.9 82.6,14.3 82,14.3 81.4,13.7 CN13.2L@81.4,12.41
CAN_RX: U10.E7 U16.4 | length 41.6
  L1 w0.125: U10.E7@46.7,37 47.098,36.602 47.098,35.802 v1(47.1,35.8) ; v1(55.3,34.4) 63.112,34.4 64.512,33 v1(64.512,32.675) ; v1(71.4,16.6) 71.795,16.205 U16.4@71.795,15.6
  L4 w0.125: v1(47.1,35.8) 47.675,35.225 47.675,34.907 47.994,34.588 49.013,34.588 49.339,34.587 49.661,34.588 49.973,34.275 51.088,34.275 51.4,34.587 53.013,34.587 53.2,34.4 v1(55.3,34.4) ; v1(64.512,32.675) 64.512,26.451 67.825,23.139 67.825,18.793 70.018,16.6 v1(71.4,16.6)
CAN_TX: U10.D6 U16.1 | length 45.3
  L1 w0.125: U10.D6@47.5,36.2 v1@47.898,35.802 ; v1(55.3,35) 64.98,35 65.18,34.8 v1(65.7,34.8) ; v1(75.6,16.8) 75.605,16.795 U16.1@75.605,15.6
  L4 w0.125: v1(47.9,35.802) 47.9,35 48.087,34.813 49.754,34.813 50.066,34.5 50.965,34.5 51.277,34.812 55.212,34.812 55.3,34.9 v1(55.3,35) ; v1(65.7,34.8) 65.7,33.312 65.388,33 65.388,32.339 65.3,32.252 65.3,26.3 68.6,23 68.6,20.4 69.3,19.7 70,19.7 72.1,17.6 74.8,17.6 v1(75.6,16.8)
CARD_CDA: RN4.2 U13.3 | length 15.4
  L1 w0.2: U13.3@62.9,5.2 v1(62.9,6.3) ; v1(65.3,18.5) RN4.2@65.3,19.65
  L4 w0.125: v1(62.9,6.3) 62.9,15.4 65.3,17.8 v1(65.3,18.5)
CARD_CLK: RN2.3 U13.5 | length 15.1
  L1 w0.125: v1(59.1,18.8) RN2.3@59.1,19.65
  L1 w0.2: U13.5@60.7,5.2 v1(60.7,6.3)
  L4 w0.125: v1(59.1,18.8) 59.1,16.6 60.7,15 v1(60.7,6.3)
CARD_DATA0: RN2.2 RN3.2 U13.7 | length 22.3
  L1 w0.125: RN2.2@58.3,19.65 v1(58.3,18.8) 58.8,18.3 61.2,18.3 61.8,18.9 RN3.2@61.8,19.65
  L1 w0.2: U13.7@58.5,5.2 v1(58.5,6.3)
  L4 w0.125: v1(58.3,18.8) 58.3,18.1 58.5,17.9 58.5,14.5 58.5,14.375 ccw(c58.688,14.375) 58.688,14.188 58.713,14.188 cw(c58.713,14) 58.9,14 58.9,13.75 cw(c58.713,13.75) 58.713,13.563 58.5,13.563 58.287,13.563 ccw(c58.287,13.375) 58.1,13.375 58.1,13.125 ccw(c58.287,13.125) 58.287,12.938 58.5,12.938 58.713,12.938 cw(c58.713,12.75) 58.9,12.75 58.9,12.5 cw(c58.713,12.5) 58.713,12.313 58.5,12.313 58.287,12.313 ccw(c58.287,12.125) 58.1,12.125 58.1,11.875 ccw(c58.287,11.875) 58.287,11.688 58.5,11.688 58.713,11.688 cw(c58.713,11.5) 58.9,11.5 58.9,11.25 cw(c58.713,11.25) 58.713,11.063 58.662,11.063 ccw(c58.662,10.9) 58.5,10.9 v1(58.5,6.3)
CARD_DATA1: RN2.1 RN3.1 U13.8 | length 22.7
  L1 w0.125: v1(57.5,18.8) RN2.1@57.5,19.65 57.5,20.5 57.6,20.6 60.7,20.6 61,20.3 RN3.1@61,19.65
  L1 w0.2: U13.8@57.4,5.2 v1(57.4,6.3)
  L4 w0.125: v1(57.4,6.3) 57.4,9.7 cw(c57.562,9.7) 57.562,9.862 57.613,9.862 ccw(c57.613,10.05) 57.8,10.05 57.8,10.3 ccw(c57.613,10.3) 57.613,10.487 57.4,10.487 57.187,10.487 cw(c57.187,10.675) 57,10.675 57,10.925 cw(c57.187,10.925) 57.187,11.113 57.4,11.113 57.613,11.113 ccw(c57.613,11.3) 57.8,11.3 57.8,11.55 ccw(c57.613,11.55) 57.613,11.738 57.4,11.738 57.187,11.738 cw(c57.187,11.925) 57,11.925 57,12.175 cw(c57.187,12.175) 57.187,12.363 57.4,12.363 57.613,12.363 ccw(c57.613,12.55) 57.8,12.55 57.8,12.8 ccw(c57.613,12.8) 57.613,12.988 57.587,12.988 cw(c57.587,13.175) 57.4,13.175 57.4,13.3 57.4,18.3 57.5,18.4 v1(57.5,18.8)
CARD_DATA2: RN3.4 RN4.4 U13.1 | length 20.2
  L1 w0.125: RN3.4@63.4,19.65 63.4,20.4 63.5,20.5 66.7,20.5 66.9,20.3 RN4.4@66.9,19.65
  L1 w0.2: U13.1@65.1,5.2 v1(65.1,6.3) ; v1(66.9,18.5) RN4.4@66.9,19.65
  L4 w0.125: v1(65.1,6.3) 65.1,12.7 66.9,14.5 v1(66.9,18.5)
CARD_DATA3: RN3.3 RN4.3 U13.2 | length 19.9
  L1 w0.125: RN3.3@62.6,19.65 62.6,18.8 63.5,17.9 65.5,17.9 v1(66.1,18.5)
  L1 w0.2: U13.2@64,5.6 v1(64,6.7) ; v1(66.1,18.5) RN4.3@66.1,19.65
  L4 w0.125: v1(64,6.7) 64,13 66.1,15.1 v1(66.1,18.5)
COM_ENABLE: Q2.1 Q7.1 R68.2 U10.C7 | length 37.2
  L1 w0.125: U10.C7@46.7,35.4 v1@47.098,35.002 ; v1(55.3,33.2) 56.275,33.2 56.287,33.213 56.3,33.2 56.4,33.3 R68.2@57.7,33.3 58.4,34 63,34 64.05,32.95 Q7.1@64.05,31.65 64.1,31.6 v1(64.9,31.6) ; v1(69,18.9) 69.05,18.85 Q2.1@69.05,18.05
  L4 w0.125: v1(47.1,35.002) 47.1,34.452 48.064,33.488 48.461,33.488 48.598,33.35 51.117,33.35 51.555,33.787 52.3,33.787 52.887,33.2 v1(55.3,33.2) ; v1(64.9,31.6) 64.9,26.382 68.1,23.182 68.1,19.8 v1(69,18.9)
DDR_VREF: C19.2 C27.1 C118.1 C135.1 R17.2 R19.1 U10.J10 U10.M12 | length 22.9
  L1 w0.2: R17.2@31.3,38.7 R19.1@32.3,38.7 v1(33.2,38.7) ; v1(43.9,40.6) U10.J10@44.3,40.2
  L1 w0.3: C19.2@34.8,44.7 C27.1@34.8,43.7 v1(35.4,43.7) ; v1(42.3,43) U10.M12@42.7,42.6
  L2/PWR w0.2: v1@33.201,38.7 33.8,39.299 33.8,43.2 34.3,43.7 v1(35.4,43.7)
  L4 w0.125: 37.299,43.4 39.3,43.4 39.5,43.2 39.5,42.6 39.6,42.5
  L4 w0.2: v1(35.4,43.7) 35.7,43.4 37.299,43.4 ; 39.6,42.5 40.1,42 42.1,42 42.262,42.162 42.262,42.238 ; v1(42.3,43) 42.262,42.962 C118.1@42.262,42.5 42.262,42.238 ; C135.1@43.9,41.138 v1(43.9,40.6) 42.262,42.238
DRXD: R43.1 U10.J6 | length 22.1
  L1 w0.125: U10.J6@47.5,40.2 v1@47.898,39.802 ; v1(54.6,37.1) v1(57,37.1) ; v1(56.3,27.7) R43.1@57.7,27.7
  L4 w0.125: v1(47.9,39.802) 47.964,39.802 48.366,39.4 51.4,39.4 51.8,39 52.252,39 54.152,37.1 v1(54.6,37.1) ; v1(56.3,27.7) 56.112,27.888 56.112,30.36 57.1,31.348 57.1,36.5 57,36.6 v1(57,37.1)
DTXD: R42.1 U10.M3 | length 21.2
  L1 w0.125: U10.M3@49.9,42.6 50.313,42.188 51.6,42.188 51.912,42.5 51.912,42.761 52.139,42.988 52.526,42.988 54.341,41.173 55.501,41.173 56.324,40.35 57.15,40.35 57.4,40.1 v1(57.6,40.1) ; v1(56.5,30.1) 57.05,30.1 57.15,30.2 R42.1@57.7,30.2
  L4 w0.125: v1(56.5,30.1) 56.5,30.4 57.388,31.288 57.388,39.888 v1(57.6,40.1)
ETH_1.2V: C39.2 U11.1 | length 3.4
  L1 w0.254: C39.2@43.4,22.105 44.206,22.105 44.263,22.162 45.049,22.162 45.506,21.705 45.906,21.705 45.956,21.755 U11.1@45.956,22.355
ETH_3.3V: C43.2 FB2.2 U11.2 | length 6.8
  L1 w0.254: FB2.2@42.3,19.2 43.5,19.2 44,19.7 46,19.7 46.4,20.1 C43.2@46.4,20.5 46.4,21.344 46.456,21.4 U11.2@46.456,22.355
ETH_INTR: R27.2 U10.A3 U11.18 | length 17.4
  L1 w0.125: R27.2@45.2,27.7 43.6,27.7 42.2,29.1 42.2,30.8 42.4,31 49.6,31 49.8,31.2 49.8,33 49.9,33.1 U10.A3@49.9,33.8
  L1 w0.127: R27.2@45.2,27.7 45.2,27.5 45.95,26.75 U11.18@45.95,26.25
ETH_MDC: U10.E4 U11.11 | length 19.3
  L1 w0.125: U10.E4@49.1,37 v1@49.498,36.602 ; U11.11@49.15,25.05 50.35,25.05 50.8,25.5 50.8,27.2 54,30.4 v1(54,35.2)
  L4 w0.125: v1(49.5,36.602) 49.752,36.602 50.164,37.014 52.96,37.014 54,35.974 v1(54,35.2)
ETH_MDIO: R37.2 U10.H2 U11.10 | length 20.2
  L1 w0.125: U11.10@49.15,24.55 50.65,24.55 51.4,25.3 51.4,26.8 54.7,30.1 v1(54.7,35.2) ; U10.H2@50.7,39.4 v1@51.098,39.002
  L4 w0.125: v1(51.1,39.002) 51.15,39.002 51.939,38.212 52.687,38.212 54.7,36.2 v1(54.7,35.2)
ETH_nLED: CN6.10 R25.1 | length 20.8
  L1 w0.125: R25.1@38,19.5 38,19 37.389,18.389 37.389,12.789 36.75,12.15 36.75,6.615 CN6.10@42.015,1.35
ETH_RX0: U10.D3 U11.13 | length 22.6
  L1 w0.125: U11.13@48.45,26.25 48.45,26.65 48.6,26.8 v1(49.5,26.8) ; U10.D3@49.9,36.2 v1@50.298,35.802
  L4 w0.125: v1(49.5,26.8) 49.35,26.8 ccw(c49.35,26.613) 49.162,26.613 cw(c48.975,26.612) 48.975,26.425 48.725,26.425 cw(c48.725,26.612) 48.537,26.612 48.537,27.116 ccw(c48.35,27.116) 48.35,27.304 48.1,27.304 ccw(c48.1,27.116) 47.912,27.116 47.912,26.988 cw(c47.725,26.988) 47.725,26.8 47.4,26.8 47.1,27.1 47.1,28.5 47.4,28.8 47.4,30.8 47.2,31 47.2,31.675 cw(c47.387,31.675) 47.387,31.863 47.4,31.863 ccw(c47.4,32.05) 47.588,32.05 47.588,32.3 ccw(c47.4,32.3) 47.4,32.488 47.387,32.488 cw(c47.387,32.675) 47.2,32.675 47.2,33.5 47.1,33.6 46.9,33.6 46.8,33.5 46.8,32.8 46.7,32.7 46.5,32.7 46.288,32.912 46.288,35.212 45.9,35.6 45.9,35.948 46.152,36.2 49.902,36.2 v1(50.3,35.802)
ETH_RX0_N: CN6.6 U11.3 | length 30.5
  L1 w0.125: U11.3@46.95,22.35 46.95,21.8 47.037,21.713 47.037,21.197 47.28,20.955 47.28,19.633 47.046,19.4 44.94,19.4 43.34,17.8 40.64,17.8 39.075,16.235 39.075,11.865 41.065,9.875 45.035,9.875 45.625,10.465 45.625,13.433 45.83,13.637 45.962,13.637 47.465,15.14 CN6.6@48,15.14
ETH_RX0_P: CN6.3 U11.4 | length 29.7
  L1 w0.125: CN6.3@44.19,12.6 44.19,13.49 44.9,14.2 45.4,14.2 45.6,14 45.6,13.867 45.3,13.567 45.3,10.6 44.9,10.2 41.2,10.2 39.4,12 39.4,16.1 40.775,17.475 43.475,17.475 45.075,19.075 47.181,19.075 47.605,19.498 47.605,21.089 47.362,21.331 47.362,21.712 47.45,21.8 U11.4@47.45,22.35
ETH_RX1: U10.F4 U11.12 | length 22.5
  L1 w0.125: v1(48.7,36.602) 48.7,37.4 U10.F4@49.1,37.8 ; U11.12@49.15,25.55 v1(50.05,25.55)
  L4 w0.125: v1(48.7,36.602) 47.098,36.602 46.711,36.989 45.989,36.989 45,36 45,33.16 45.41,32.75 45.65,32.75 46.2,32.2 46.2,31.9 45.8,31.5 45.8,30.7 45.9,30.6 46.9,30.6 47.088,30.412 47.088,29.488 46.8,29.2 46.8,26.4 47,26.2 47.425,26.2 ccw(c47.425,26.388) 47.612,26.388 47.612,26.392 cw(c47.8,26.392) 47.8,26.58 48.05,26.58 cw(c48.05,26.392) 48.237,26.392 48.237,26.388 ccw(c48.425,26.388) 48.425,26.2 49.9,26.2 50.05,26.05 v1(50.05,25.55)
ETH_RXDV: R30.2 U10.A4 U11.15 | length 23.1
  L1 w0.125: U11.15@47.45,26.25 47.45,27.05 47.6,27.2 v1(47.6,27.4) R30.2@47.6,28.1 ; v1(49.1,32.7) U10.A4@49.1,33.8
  L4 w0.125: v1(47.6,27.4) 47.6,28.5 47.9,28.8 48.125,28.8 ccw(c48.125,28.988) 48.312,28.988 48.312,29.3 cw(c48.5,29.3) 48.5,29.488 48.75,29.488 cw(c48.75,29.3) 48.937,29.3 48.937,28.3 ccw(c49.125,28.3) 49.125,28.112 49.375,28.112 ccw(c49.375,28.3) 49.562,28.3 49.562,29.3 cw(c49.75,29.3) 49.75,29.488 50,29.488 cw(c50,29.3) 50.187,29.3 50.187,28.3 ccw(c50.375,28.3) 50.375,28.112 50.625,28.112 ccw(c50.625,28.3) 50.812,28.3 50.812,28.613 cw(c51,28.613) 51,28.8 52.3,28.8 52.7,29.2 52.7,30.2 52.4,30.5 52.387,30.5 51.95,30.5 ccw(c51.95,30.312) 51.762,30.312 51.762,30 cw(c51.575,30) 51.575,29.812 51.325,29.812 cw(c51.325,30) 51.137,30 51.137,30.5 51.137,31 ccw(c50.95,31) 50.95,31.188 50.7,31.188 ccw(c50.7,31) 50.512,31 50.512,30.688 cw(c50.325,30.688) 50.325,30.5 50.2,30.5 50,30.5 49.692,30.808 49.692,32.508 49.5,32.7 v1(49.1,32.7)
ETH_RXER: U10.B3 U11.17 | length 22.7
  L1 w0.125: v1(46.3,27.1) 46.45,26.95 U11.17@46.45,26.25 ; U10.B3@49.9,34.6 50.3,34.2 50.3,33.1 v1(50.8,32.6)
  L4 w0.125: v1(46.3,27.1) 46.3,26.1 46.7,25.7 48.6,25.7 49.3,25 50.5,25 50.9,25.4 50.988,25.488 ccw(c50.856,25.621) 50.988,25.754 50.979,25.763 cw(c51.112,25.895) 50.979,26.028 51.156,26.204 cw(c51.289,26.072) 51.421,26.204 51.563,26.063 51.704,25.921 ccw(c51.837,26.054) 51.97,25.921 52.146,26.098 ccw(c52.014,26.231) 52.146,26.363 52.005,26.505 51.863,26.646 cw(c51.996,26.779) 51.863,26.912 52.04,27.088 cw(c52.173,26.956) 52.305,27.088 52.447,26.947 52.588,26.805 ccw(c52.721,26.938) 52.854,26.805 53.03,26.982 ccw(c52.898,27.115) 53.03,27.247 53.021,27.256 cw(c53.154,27.389) 53.021,27.521 53.331,27.831 53.4,27.9 53.4,28.7 ; v1(50.8,32.6) 51.1,32.6 51.8,31.9 51.888,31.812 cw(c51.756,31.679) 51.888,31.546 51.879,31.537 ccw(c52.012,31.405) 51.879,31.272 52.056,31.096 ccw(c52.189,31.228) 52.321,31.096 52.463,31.237 52.604,31.379 cw(c52.737,31.246) 52.87,31.379 53.046,31.202 cw(c52.914,31.069) 53.046,30.937 53.037,30.928 ccw(c53.17,30.795) 53.037,30.663 53.347,30.353 53.4,30.3 53.4,28.7 ; 53.4,29 53.4,28.7
ETH_TX0: U10.F2 U11.20 | length 23.1
  L1 w0.125: v1(44.375,26) 44.375,25.525 44.845,25.055 U11.20@45.256,25.055 ; U10.F2@50.7,37.8 v1@51.098,37.402
  L4 w0.125: v1(44.375,26) 44.375,27.625 43.3,28.7 43.3,33.232 43.875,33.807 43.875,35.996 44.288,36.408 44.288,36.761 44.275,36.773 44.275,36.975 45.9,38.6 47.318,38.6 48.118,37.8 48.848,37.8 49.1,38.052 49.1,38.35 49.35,38.6 49.7,38.6 49.9,38.4 49.9,37.866 50.364,37.402 v1(51.1,37.402)
ETH_TX0_N: CN6.2 U11.5 | length 14.3
  L1 w0.125: CN6.2@42.92,15.14 42.92,15 42.5,15 42.1,14.6 42.1,14.4 42.4,14.1 43.565,14.1 44.029,14.564 44.029,16.936 45.765,18.672 47.818,18.672 48.037,18.891 48.037,21.775 47.95,21.863 U11.5@47.95,22.35
ETH_TX0_P: CN6.1 U11.6 | length 14.5
  L1 w0.125: CN6.1@41.65,12.6 41.65,12.925 42.5,13.775 43.7,13.775 44.354,14.429 44.354,16.801 45.9,18.347 47.953,18.347 48.362,18.756 48.362,21.775 48.45,21.863 U11.6@48.45,22.35
ETH_TX1: U10.F3 U11.21 | length 23.1
  L1 w0.125: v1(44.366,24.934) 44.745,24.555 U11.21@45.256,24.555 ; v1(49.5,37.4) U10.F3@49.9,37.8
  L4 w0.125: v1(44.366,24.934) 44.366,24.584 44.55,24.4 45,24.4 45.2,24.6 45.2,25.375 cw(c45.387,25.375) 45.387,25.563 45.7,25.563 ccw(c45.7,25.75) 45.888,25.75 45.888,26 ccw(c45.7,26) 45.7,26.188 45.387,26.188 cw(c45.387,26.375) 45.2,26.375 45.2,27.736 44.3,28.636 44.3,30.212 ccw(c44.2,30.212) 44.2,30.312 cw(c44.2,30.5) 44.012,30.5 44.012,30.75 cw(c44.2,30.75) 44.2,30.937 ccw(c44.2,31.038) 44.3,31.038 44.3,31.5 44.1,31.7 44.1,35.903 44.513,36.315 44.513,36.813 45.9,38.2 47.4,38.2 48.025,37.575 48.925,37.575 49.1,37.4 v1(49.5,37.4)
ETH_TXCK: R28.2 U10.G4 | length 20.6
  L1 w0.125: v1(45.9,29.1) R28.2@46.6,29.1 ; U10.G4@49.1,38.6 v1@49.498,38.202
  L4 w0.125: v1(45.9,29.1) 46.3,28.7 46.3,27.7 46.1,27.5 45.9,27.5 45.6,27.8 45.6,28.1 45.2,28.5 45.2,30.475 cw(c45.388,30.475) 45.388,30.663 ccw(c45.388,30.85) 45.575,30.85 45.575,31.1 ccw(c45.388,31.1) 45.388,31.288 cw(c45.388,31.475) 45.2,31.475 45.2,32.2 44.6,32.8 44.6,35.918 44.875,36.193 44.875,36.575 46.087,37.788 46.712,37.788 47.3,37.2 48.8,37.2 49,37 49.7,37 49.9,37.2 49.9,37.548 49.5,37.948 v1(49.5,38.202)
ETH_TXEN: U10.H4 U11.19 | length 22.9
  L1 w0.125: v1(43.9,26.6) 44.5,26.6 44.762,26.338 44.762,25.638 44.845,25.555 U11.19@45.256,25.555 ; U10.H4@49.1,39.4 v1@49.498,39.002
  L4 w0.125: v1(43.9,26.6) 43.9,27.2 42.2,28.9 42.2,32.752 43.512,34.064 43.512,36.761 44.031,37.279 ccw(c43.912,37.399) 44.031,37.518 cw(c44.164,37.651) 44.031,37.783 44.208,37.96 cw(c44.341,37.828) 44.473,37.96 44.593,37.841 ccw(c44.708,37.956) 44.823,37.841 45.035,38.053 ccw(c44.92,38.168) 45.035,38.283 44.893,38.424 cw(c45.026,38.557) 44.893,38.689 45.07,38.866 cw(c45.202,38.734) 45.335,38.866 45.477,38.725 ccw(c45.592,38.84) 45.706,38.725 45.919,38.937 ccw(c45.804,39.052) 45.919,39.167 46.139,39.388 48.061,39.388 48.446,39.002 v1(49.5,39.002)